# Altium PCB PicoPrint.PcbDoc (part 2 of 3) (continued)
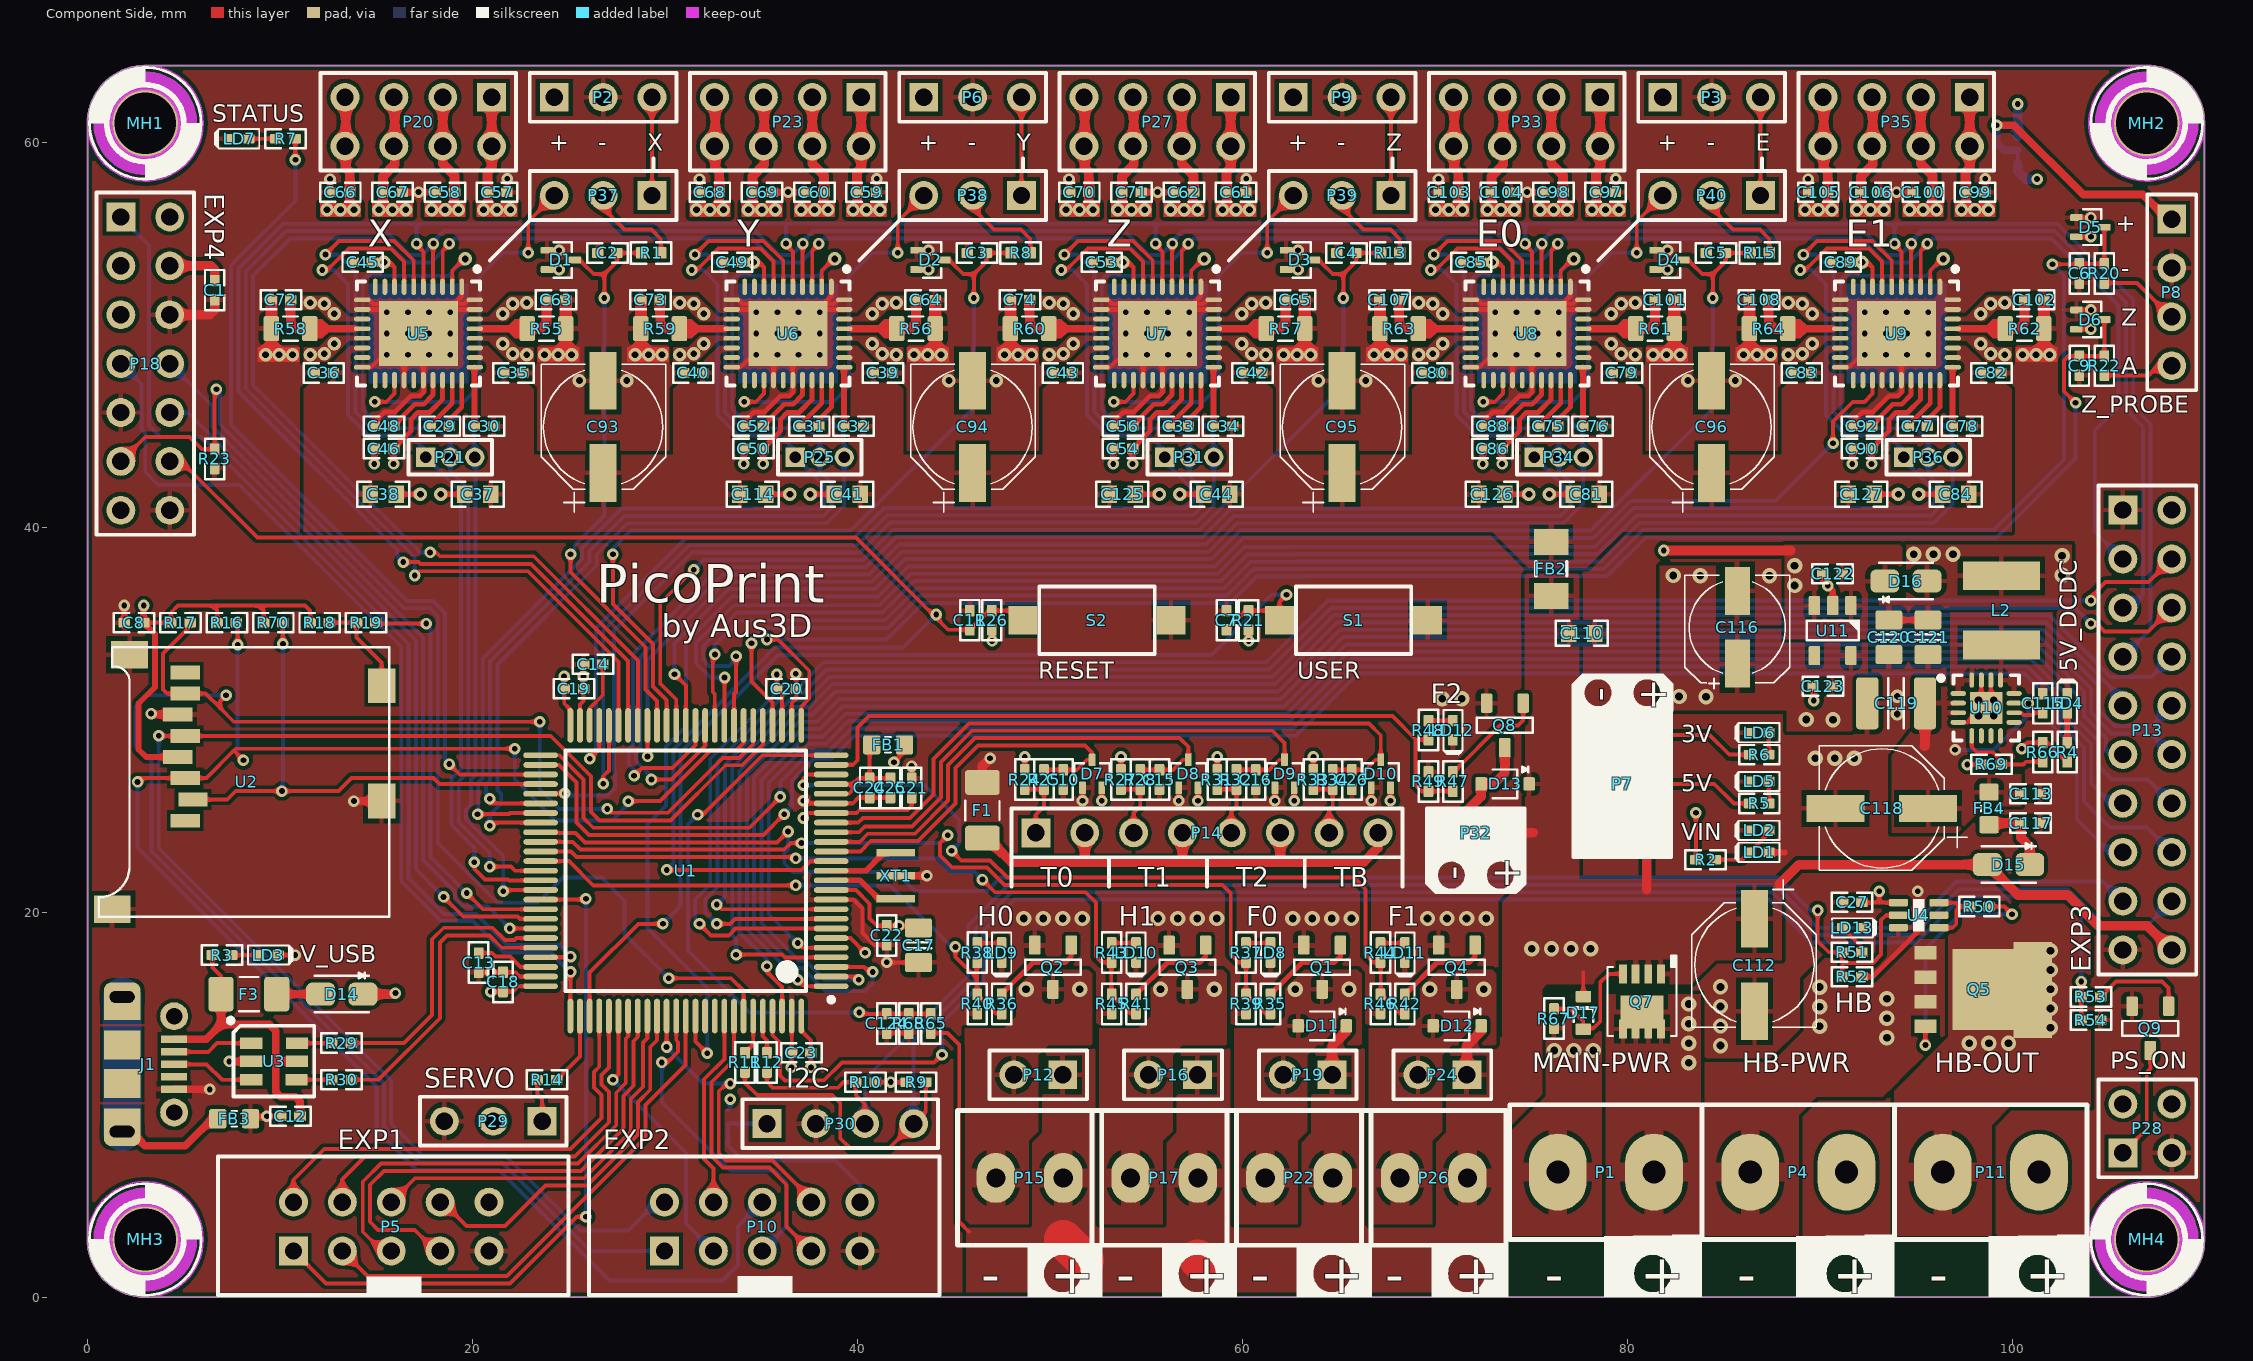
[diagram p0: Component Side view]
## Nets (pads, with @x,y where several pads share a name; then routed paths per layer and width w, separated by ;. In a path a pad name is that pad's centre, name@x,y a point inside that pad or via, vN(x,y) a via of type N, cw(c..) or ccw(c..) an arc to the next point about the centre after c; other vN are vias at no path point) (continued)
  Component Side w0.25: U5.12@14.275,51.325 U5.37@15.95,51.325 ; C48.1@14.904,45.264 14.904,45.464 15.44,46 15.984,46 16.813,46.83 17.283,46.83 17.45,46.996 U5.24@17.45,47.65 17.45,49.825 U5.37@17.2,50.075 ; C38.1@16.05,41.725 v2(17.3,41.725) ; U5.22@16.45,47.65 U5.37@16.45,49.325 ; v2(18.35,41.725) C37.1@19.6,41.725 ; U5.37@18.45,51.325 U5.35@20.125,51.325 ; U5.37@18.95,51.6 19.025,51.6 19.45,52.025 U5.1@19.45,52.5 ; U6.12@33.475,51.325 U6.37@35.15,51.325 ; C52.1@34.104,45.264 34.104,45.464 34.64,46 35.184,46 36.013,46.83 36.483,46.83 36.65,46.996 U6.24@36.65,47.65 36.65,49.825 U6.37@36.4,50.075 ; C114.1@35.25,41.725 v2(36.5,41.725) ; U6.22@35.65,47.65 U6.37@35.65,49.325 ; v2(37.55,41.725) C41.1@38.8,41.725 ; U6.37@37.65,51.325 U6.35@39.325,51.325 ; U6.37@38.15,51.6 38.225,51.6 38.65,52.025 U6.1@38.65,52.5 ; U7.12@52.675,51.325 U7.37@54.35,51.325 ; C56.1@53.304,45.264 53.304,45.464 53.84,46 54.384,46 55.213,46.83 55.683,46.83 55.85,46.996 U7.24@55.85,47.65 55.85,49.825 U7.37@55.6,50.075 ; C125.1@54.45,41.725 v2(55.7,41.725) ; U7.22@54.85,47.65 U7.37@54.85,49.325 ; v2(56.75,41.725) C44.1@58,41.725 ; U7.37@56.85,51.325 U7.35@58.525,51.325 ; U7.37@57.35,51.6 57.425,51.6 57.85,52.025 U7.1@57.85,52.5 ; U8.12@71.875,51.325 U8.37@73.55,51.325 ; C88.1@72.504,45.264 72.504,45.464 73.04,46 73.584,46 74.413,46.83 74.883,46.83 75.05,46.996 U8.24@75.05,47.65 75.05,49.825 U8.37@74.8,50.075 ; C126.1@73.65,41.725 v2(74.9,41.725) ; U8.22@74.05,47.65 U8.37@74.05,49.325 ; v2(75.95,41.725) C81.1@77.2,41.725 ; U8.37@76.05,51.325 U8.35@77.725,51.325 ; U8.37@76.55,51.6 76.625,51.6 77.05,52.025 U8.1@77.05,52.5 ; C92.1@91.704,45.264 91.704,45.464 92.24,46 92.784,46 93.613,46.83 94.083,46.83 94.25,46.996 U9.24@94.25,47.65 94.25,49.825 U9.37@94,50.075 ; R52.1@92.186,16.653 92.753,16.653 95.1,19 ; C127.1@92.85,41.725 v2(94.1,41.725) ; v2(95.15,41.725) C84.1@96.4,41.725 ; U9.37@95.75,51.6 U9.37@95.825,51.6
  Component Side w0.3: C8.1@1.913,35.052 v1@1.913,35.933 ; v1(12.6,58.1) 12.6,57.448 C66.2@12.634,57.414 ; v1(14.9,43.3) C46.1@14.9,44.1 C46.1@14.904,44.104 ; C67.2@16.351,57.414 C58.1@18.067,57.414 ; C57.1@21.784,57.464 21.804,57.484 v1(21.804,58.114) ; v1(31.8,58.1) 31.8,57.448 C68.2@31.834,57.414 ; v1(34.1,43.3) C50.1@34.1,44.1 C50.1@34.104,44.104 ; C69.2@35.551,57.414 C60.1@37.267,57.414 ; C59.1@40.984,57.464 41.004,57.484 v1(41.004,58.114) ; v1(51,58.1) 51,57.448 C70.2@51.034,57.414 ; v1(53.3,43.3) C54.1@53.3,44.1 C54.1@53.304,44.104 ; C71.2@54.751,57.414 C62.1@56.467,57.414 ; C61.1@60.184,57.464 60.204,57.484 v1(60.204,58.114) ; v1(70.2,58.1) 70.2,57.448 C103.2@70.234,57.414 ; v1(72.5,43.3) C86.1@72.5,44.1 C86.1@72.504,44.104 ; C104.2@73.951,57.414 C98.1@75.667,57.414 ; C97.1@79.384,57.464 79.404,57.484 v1(79.404,58.114) ; LD1.1@87.368,23.114 88.186,23.114 ; v1(89.4,58.1) 89.4,57.448 C105.2@89.434,57.414 ; C123.1@89.67,31.75 89.7,31.72 v1(89.7,31) ; C122.1@90.178,37.592 90.178,37.222 v1(90.429,36.971) 90.681,36.719 U11.2@90.681,35.939 ; v1(91.7,43.3) C90.1@91.7,44.1 C90.1@91.704,44.104 ; C106.2@93.151,57.414 C100.1@94.867,57.414 ; C99.1@98.584,57.464 98.604,57.484 v1(98.604,58.114)
  Component Side w0.4: v1(1.905,35.941) v1@1.913,35.933 ; v1(3.302,30.328) 3.353,30.277 U2.6@4.68,30.277 ; J1.GND@4.5,10.8 6.345,10.8 v1(6.35,10.795) ; v1(7.366,12.253) U3.2@8.509,12.253 ; v1(13.843,25.781) U2.CD2@15.28,25.781 ; XT1.2@41.99,21.9 v1(43.617,21.9)
  Component Side w0.5: P18.6@4.27,51.05 6.35,51.05 6.604,51.304 C1.1@6.604,51.824 ; F1.1@46.5,26.75 46.5,27.6 v1(46.9,28)
  other v1: 95.1,21.1 25.765,32.258 24.498,54.4 43.698,54.4 62.898,54.4 82.098,54.4 17.2,57.425 36.4,57.425 55.6,57.425 74.8,57.425 94,57.425
  other v2: 94.041,30.307 94.041,31.223 25.56,47.629 28.02,47.629 44.76,47.629 47.22,47.629 63.96,47.629 66.42,47.629 83.16,47.629 85.62,47.629 9.25,48.975 9.95,48.975 10.65,48.975 23.75,48.975 24.45,48.975 25.15,48.975 28.45,48.975 29.15,48.975 29.85,48.975 42.95,48.975 43.65,48.975 44.35,48.975 47.65,48.975 48.35,48.975 49.05,48.975 62.15,48.975 62.85,48.975 63.55,48.975 66.85,48.975 67.55,48.975 68.25,48.975 81.35,48.975 82.05,48.975 82.75,48.975 86.05,48.975 86.75,48.975 87.45,48.975 100.55,48.975 101.25,48.975 101.95,48.975
  other v3: 76.215,12.82 77.231,12.82 78.247,12.82 84.851,13.074 84.851,14.09 84.851,15.106 84.851,16.122 48.641,19.678 49.657,19.678 50.673,19.678 51.689,19.678 55.626,19.678 56.642,19.678 57.658,19.678 58.674,19.678 62.626,19.678 63.642,19.678 64.658,19.678 65.674,19.678 69.626,19.678 70.642,19.678 71.658,19.678 72.674,19.678 89.768,28 90.784,28 91.8,28 98.257,30.22 99.057,30.22 98.257,31.02 99.057,31.02 70.4,31.1 71.4,31.1 87.4,37.484
H0_PWM: R36.1 R38.2 R40.2 U1.62 | length 29.1
  Component Side w0.2: U1.62@23.54,22.66 25.015,22.66 26.275,21.4 v1(36.8,21.4) ; v1(45.1,18.2) 45.1,17.687 46.213,16.574 ; R38.2@46.213,17.407 46.213,16.574 ; R36.1@47.483,14.74 47.213,14.74 46.213,15.74 46.213,16.574
  Solder Side w0.2: v1(36.8,21.4) 41.7,21.4 45.1,18 v1(45.1,18.2)
H1_PWM: R41.1 R43.2 R45.2 U1.61 | length 37
  Component Side w0.2: U1.61@23.54,23.16 25.115,23.16 25.4,22.875 28.036,22.875 36.725,22.875 v1(36.8,22.8) ; v1(46.5,21.7) 47.16,21.04 51.86,21.04 52.4,20.5 52.4,17.7 52.693,17.407 R43.2@53.213,17.407 ; R43.2@53.198,17.407 53.198,15.74 54.198,14.74 R41.1@54.468,14.74
  Solder Side w0.2: v1(36.8,22.8) 44.2,22.8 44.9,22.1 46.1,22.1 v1(46.5,21.7)
HB_GND: P4.1 Q5.3
  other v3: 93.5,13.484 90,14.084 93.5,14.5 90,15.1 93.5,15.516 90,16.116
HB_PWM: R51.2 R52.2 U1.59 U4.2 | length 79.8
  Component Side w0.2: U1.59@23.54,24.16 23.585,24.115 25.36,24.115 25.84,23.635 27.721,23.635 ; 27.721,23.635 35.835,23.635 v1(36.4,24.2) ; v1(89.9,20.1) 89.9,18.5 90.477,17.923 R51.2@91.194,17.923 91.186,17.915 91.186,17.4 ; R52.2@91.186,16.653 91.186,17.4 ; U4.2@94.1,19.85 93.45,19.85 93.2,19.6 93.2,17.8 92.773,17.373 91.213,17.373 91.186,17.4
  Solder Side w0.2: v1(36.4,24.2) 36.4,23.249 36.2,23.049 36.2,22.551 36.651,22.1 42,22.1 43,21.1 46.749,21.1 47.449,21.8 87.837,21.8 89.537,20.1 v1(89.9,20.1)
HEATED_BED: P11.1 Q5.2
  other v3: 97.784,13.2 98.8,13.2 99.816,13.2 102,14 102,15 102,16 102,17 102,18
HEATER0: P12.2 P15.2 Q2.3
  other v3: 48.768,15.995 51.562,15.995
HEATER1: P16.2 P17.2 Q3.3
  other v3: 55.753,15.995 58.547,15.995
KILL: P10.8 U1.86 | length 15.6
  Component Side w0.2: v1(30.09,13) U1.86@30.09,14.61 ; v1(33.4,11.1) 33.2,11.1 32.8,10.7 32.8,7.488 33.176,7.112 35.589,7.112 37.602,5.1 P10.8@37.602,4.942
  Solder Side w0.2: v1(30.09,13) 31.99,11.1 v1(33.4,11.1)
LCD_D4: P5.5 U1.82 | length 24.8
  Component Side w0.2: P5.5@15.782,2.4 15.3,2.4 14.3,3.4 14.3,6 15.24,6.94 25.477,6.94 27.47,8.933 27.47,10.621 27.97,11.121 27.97,13.431 28.09,13.551 U1.82@28.09,14.61
LCD_D5: P5.6 U1.84 | length 20.3
  Component Side w0.2: P5.6@15.782,4.94 17.022,6.18 25.792,6.18 28.23,8.618 28.23,10.307 28.859,10.935 28.859,13.234 29.09,13.465 U1.84@29.09,14.61
LCD_D6: P5.7 U1.83 | length 26.7
  Component Side w0.2: P5.7@18.322,2.4 18.1,2.4 17,3.5 15.1,3.5 14.68,3.92 14.68,5.843 15.397,6.56 25.635,6.56 27.85,8.775 27.85,10.464 28.374,10.988 28.374,13.297 28.59,13.513 U1.83@28.59,14.61
LCD_D7: P5.8 U1.85 | length 19.3
  Component Side w0.2: P5.8@18.322,4.94 18.46,4.94 19.7,3.7 21.7,3.7 23.8,5.8 25.95,5.8 28.61,8.46 28.61,10.149 29.239,10.778 29.239,12.997 29.59,13.349 U1.85@29.59,14.61
LCD_EN: P5.3 U1.88 | length 26.4
  Component Side w0.2: P5.3@13.242,2.4 14.542,1.1 21.787,1.1 28.99,8.303 28.99,9.992 31.07,12.072 31.07,14.59 U1.88@31.09,14.61
LCD_RS: P5.4 U1.80 | length 22.1
  Component Side w0.2: P5.4@13.242,4.94 13.242,6.142 14.42,7.32 25.32,7.32 27.09,9.09 27.09,10.661 26.7,11.051 26.7,11.549 27.09,11.939 U1.80@27.09,14.61
NetC7_2: C7.2 R21.1 S1.1 U1.78 | length 56.1
  Component Side w0.2: U1.78@26.09,14.61 26.09,16.865 28.625,19.4 v1(29.9,19.4) ; C7.2@59.182,34.679 60.182,35.679 61.436,35.679 S1.1@61.936,35.179 61.936,36.136 v1(62.3,36.5)
  Solder Side w0.2: v1(29.9,19.4) 30.82,20.32 30.82,28.309 35.886,33.375 58.399,33.375 61.524,36.5 v1(62.3,36.5)
NetC13_2: C13.2 U1.73 | length 3.5
  Component Side w0.2: C13.2@20.32,17.883 21.017,17.883 21.2,17.7 21.953,17.7 22.493,17.16 U1.73@23.54,17.16
NetC14_2: C14.2 U1.48 | length 3.5
  Component Side w0.2: U1.48@26.09,29.71 26.09,30.596 26.773,31.279 C14.2@26.773,32.893
NetC24_2: C24.2 C25.2 FB1.1 U1.21 U1.22 | length 6.3
  Component Side w0.2: U1.21@38.64,26.16 39.56,26.16 39.76,26.36 39.76,26.66 ; U1.22@38.64,26.66 39.76,26.66 ; FB1.1@40.679,28.494 40.64,28.455 C24.2@40.64,26.962 ; C25.2@41.723,26.962 C24.2@40.64,26.962 ; 39.76,26.66 40.062,26.962 C24.2@40.64,26.962
NetC29_1: C29.1 U5.27 | length 2.9
  Component Side w0.25: C29.1@17.804,45.264 17.804,45.304 18.95,46.45 U5.27@18.95,47.65
  Component Side w0.3: C29.1@17.804,45.264 C29.1@17.854,45.264
NetC29_2: C29.2 U5.28 | length 2.7
  Component Side w0.25: C29.2@18.804,45.264 18.804,45.604 19.45,46.25 U5.28@19.45,47.65
NetC30_2: C30.2 U5.29 | length 3.1
  Component Side w0.3: U5.29@20.104,48.304 C30.2@20.104,45.264 C30.2@20.204,45.264
NetC31_1: C31.1 U6.27 | length 2.9
  Component Side w0.25: C31.1@37.004,45.264 37.004,45.304 38.15,46.45 U6.27@38.15,47.65
  Component Side w0.3: C31.1@37.004,45.264 C31.1@37.054,45.264
NetC31_2: C31.2 U6.28 | length 2.7
  Component Side w0.25: C31.2@38.004,45.264 38.004,45.604 38.65,46.25 U6.28@38.65,47.65
NetC32_2: C32.2 U6.29 | length 3.1
  Component Side w0.3: U6.29@39.304,48.304 C32.2@39.304,45.264 C32.2@39.404,45.264
NetC33_1: C33.1 U7.27 | length 2.9
  Component Side w0.25: C33.1@56.204,45.264 56.204,45.304 57.35,46.45 U7.27@57.35,47.65
  Component Side w0.3: C33.1@56.204,45.264 C33.1@56.254,45.264
NetC33_2: C33.2 U7.28 | length 2.7
  Component Side w0.25: C33.2@57.204,45.264 57.204,45.604 57.85,46.25 U7.28@57.85,47.65
NetC34_2: C34.2 U7.29 | length 3.1
  Component Side w0.3: U7.29@58.504,48.304 C34.2@58.504,45.264 C34.2@58.604,45.264
NetC48_2: C48.2 U5.25 | length 3.5
  Component Side w0.25: C48.2@15.904,45.264 16.37,45.73 16.37,45.778 16.992,46.4 17.461,46.4 17.95,46.888 U5.25@17.95,47.65
NetC52_2: C52.2 U6.25 | length 3.5
  Component Side w0.25: C52.2@35.104,45.264 35.57,45.73 35.57,45.778 36.192,46.4 36.661,46.4 37.15,46.888 U6.25@37.15,47.65
NetC56_2: C56.2 U7.25 | length 3.5
  Component Side w0.25: C56.2@54.304,45.264 54.77,45.73 54.77,45.778 55.392,46.4 55.861,46.4 56.35,46.888 U7.25@56.35,47.65
NetC63_1: C63.1 R55.2 U5.33 | length 2.3
  Component Side w0.5: R55.2@22.85,50.325 23.55,50.325 23.85,50.625 C63.1@23.85,51.825
NetC64_1: C64.1 R56.2 U6.33 | length 2.3
  Component Side w0.5: R56.2@42.05,50.325 42.75,50.325 43.05,50.625 C64.1@43.05,51.825
NetC65_1: C65.1 R57.2 U7.33 | length 2.3
  Component Side w0.5: R57.2@61.25,50.325 61.95,50.325 62.25,50.625 C65.1@62.25,51.825
NetC72_1: C72.1 R58.2 U5.14 | length 2.3
  Component Side w0.5: C72.1@10.55,51.825 10.55,50.625 10.85,50.325 R58.2@11.55,50.325
NetC73_1: C73.1 R59.2 U6.14 | length 2.3
  Component Side w0.5: C73.1@29.75,51.825 29.75,50.625 30.05,50.325 R59.2@30.75,50.325
NetC74_1: C74.1 R60.2 U7.14 | length 2.3
  Component Side w0.5: C74.1@48.95,51.825 48.95,50.625 49.25,50.325 R60.2@49.95,50.325
NetC75_1: C75.1 U8.27 | length 2.9
  Component Side w0.25: C75.1@75.404,45.264 75.404,45.304 76.55,46.45 U8.27@76.55,47.65
  Component Side w0.3: C75.1@75.404,45.264 C75.1@75.454,45.264
NetC75_2: C75.2 U8.28 | length 2.7
  Component Side w0.25: C75.2@76.404,45.264 76.404,45.604 77.05,46.25 U8.28@77.05,47.65
NetC76_2: C76.2 U8.29 | length 3.1
  Component Side w0.3: U8.29@77.704,48.304 C76.2@77.704,45.264 C76.2@77.804,45.264
NetC77_1: C77.1 U9.27 | length 2.9
  Component Side w0.25: C77.1@94.604,45.264 94.604,45.304 95.75,46.45 U9.27@95.75,47.65
  Component Side w0.3: C77.1@94.604,45.264 C77.1@94.654,45.264
NetC77_2: C77.2 U9.28 | length 2.7
  Component Side w0.25: C77.2@95.604,45.264 95.604,45.604 96.25,46.25 U9.28@96.25,47.65
NetC78_2: C78.2 U9.29 | length 3.1
  Component Side w0.3: U9.29@96.904,48.304 C78.2@96.904,45.264 C78.2@97.004,45.264
NetC88_2: C88.2 U8.25 | length 3.5
  Component Side w0.25: C88.2@73.504,45.264 73.97,45.73 73.97,45.778 74.592,46.4 75.061,46.4 75.55,46.888 U8.25@75.55,47.65
NetC92_2: C92.2 U9.25 | length 3.5
  Component Side w0.25: C92.2@92.704,45.264 93.17,45.73 93.17,45.778 93.792,46.4 94.261,46.4 94.75,46.888 U9.25@94.75,47.65
NetC101_1: C101.1 R61.2 U8.33 | length 2.3
  Component Side w0.5: R61.2@80.45,50.325 81.15,50.325 81.45,50.625 C101.1@81.45,51.825
NetC102_1: C102.1 R62.2 U9.33 | length 2.3
  Component Side w0.5: R62.2@99.65,50.325 100.35,50.325 100.65,50.625 C102.1@100.65,51.825
NetC107_1: C107.1 R63.2 U8.14 | length 2.3
  Component Side w0.5: C107.1@68.15,51.825 68.15,50.625 68.45,50.325 R63.2@69.15,50.325
NetC108_1: C108.1 R64.2 U9.14 | length 2.3
  Component Side w0.5: C108.1@87.35,51.825 87.35,50.625 87.65,50.325 R64.2@88.35,50.325
NetC115_1: C115.1 U10.10 | length 1.6
  Component Side w0.2: U10.10@100.107,30.37 100.488,30.37 100.604,30.254 101.102,30.254 101.218,30.37 101.591,30.37 C115.1@101.6,30.361
NetC115_2: C115.2 L2.1 U10.1 U10.12 U10.13 U10.16
NetC117_2: C117.2 D15.K FB4.1 | length 4
  Component Side w0.5: FB4.1@98.806,24.55 98.894,24.638 C117.2@100.465,24.638 100.465,23.876 100.922,23.419 D15.K@100.922,22.479
NetD14_A: D14.A F3.2 | length 2.3
  Component Side w0.4: F3.2@9.832,15.748 D14.A@12.108,15.748
NetD17_A: D17.A Q7.4 R67.2 | length 6.6
  Component Side w0.2: R67.2@76.2,14.978 77.067,14.978 77.724,14.321 D17.A@77.724,13.921 77.781,13.978 78.262,13.978 78.6,14.316 78.6,16.348 79.054,16.802 Q7.4@79.782,16.802
NetJ2_2: J2.2 P30.1 | length 2
  Solder Side w0.2: J2.2@33.274,9.017 P30.1@35.306,9.017
NetLD1_2: LD1.2 LD2.1 R2.1 | length 3.5
  Component Side w0.2: R2.1@84.574,22.733 85.987,22.733 LD1.2@86.368,23.114 87.368,24.114 LD2.1@87.368,24.257
NetLD3_1: LD3.1 R3.1 | length 1.4
  Component Side w0.2: R3.1@7.485,17.78 LD3.1@8.898,17.78
NetLD4_1: LD4.1 R4.1 | length 1.5
  Component Side w0.3: R4.1@102.87,28.821 LD4.1@102.87,30.361
NetLD5_1: LD5.1 R5.1 | length 1.1
  Component Side w0.2: R5.1@87.368,25.654 LD5.1@87.368,26.797
NetLD6_1: LD6.1 R6.1 | length 1.1
  Component Side w0.2: R6.1@87.368,28.194 LD6.1@87.368,29.337
NetLD7_1: LD7.1 R7.1 | length 1.4
  Component Side w0.2: LD7.1@8.374,60.198 R7.1@9.787,60.198
NetLD8_1: LD8.1 R37.1 | length 1.3
  Component Side w0.2: R37.1@60.198,18.407 LD8.1@61.468,18.407
NetLD9_1: LD9.1 R38.1 | length 1.3
  Component Side w0.2: R38.1@46.213,18.407 LD9.1@47.483,18.407
NetLD10_1: LD10.1 R43.1 | length 1.3
  Component Side w0.2: R43.1@53.198,18.407 LD10.1@54.468,18.407
NetLD11_1: LD11.1 R44.1 | length 1.3
  Component Side w0.2: R44.1@67.198,18.407 LD11.1@68.453,18.407 LD11.1@68.468,18.407
NetLD12_1: LD12.1 R48.1 | length 1.3
  Component Side w0.2: R48.1@69.678,29.964 LD12.1@70.948,29.964
NetLD13_1: LD13.1 R51.1 | length 1.7
  Component Side w0.2: LD13.1@91.194,19.193 92.194,18.193 R51.1@92.194,17.923
NetP37_2: P37.2 R1.1 | length 5.1
  Component Side w0.2: P37.2@26.79,57.25 26.79,56.585 27.9,55.475 29.3,55.475 29.788,54.987 R1.1@29.788,54.26
NetP38_2: P38.2 R8.1 | length 5.1
  Component Side w0.2: P38.2@45.99,57.25 45.99,56.585 47.1,55.475 48.5,55.475 48.988,54.987 R8.1@48.988,54.26
NetP39_2: P39.2 R13.1 | length 5.1
  Component Side w0.2: P39.2@65.19,57.25 65.19,56.585 66.3,55.475 67.7,55.475 68.188,54.987 R13.1@68.188,54.26
NetP40_2: P40.2 R15.1 | length 5.1
  Component Side w0.2: P40.2@84.39,57.25 84.39,56.585 85.5,55.475 86.9,55.475 87.388,54.987 R15.1@87.388,54.26
NetQ1_1: Q1.1 R35.2 | length 5
  Component Side w0.25: R35.2@61.468,15.74 63.12,17.392 64.785,17.392 65.1,17.707 Q1.1@65.1,18.295
NetQ2_1: Q2.1 R36.2 | length 5
  Component Side w0.25: R36.2@47.483,15.74 49.135,17.392 50.8,17.392 51.115,17.707 Q2.1@51.115,18.295
NetQ3_1: Q3.1 R41.2 | length 5
  Component Side w0.25: R41.2@54.468,15.74 56.12,17.392 57.785,17.392 58.1,17.707 Q3.1@58.1,18.295
NetQ4_1: Q4.1 R42.2 | length 5
  Component Side w0.25: R42.2@68.468,15.74 70.12,17.392 71.785,17.392 72.1,17.707 Q4.1@72.1,18.295
NetQ5_1: Q5.1 R50.2 | length 12.6
  Component Side w0.2: v1(95.5,13.1) Q5.1@95.5,14.09 ; R50.2@98.8,20.3 99.6,20.3 v1(100,19.9)
  Solder Side w0.2: v1(95.5,13.1) 95.5,18.1 97.3,19.9 v1(100,19.9)
NetQ8_1: Q8.1 R47.2 | length 5.7
  Component Side w0.2: R47.2@70.948,27.297 71.097,27.297 71.097,27.397 73.4,29.7 74.321,29.7 74.595,29.974 Q8.1@74.595,30.868
NetQ9_1: Q9.1 R53.1 | length 5
  Component Side w0.2: R53.1@104.6,15.6 105.4,16.4 107.8,16.4 108.138,16.062 Q9.1@108.138,15.12
NetR11_1: R11.1 U1.95 | length 2.1
  Component Side w0.2: R11.1@34.163,12.7 34.59,13.127 U1.95@34.59,14.61
NetR12_1: R12.1 U1.96 | length 2
  Component Side w0.2: U1.96@35.09,14.61 35.09,13.551 35.306,13.335 R12.1@35.306,12.7
NetR14_1: R14.1 U1.77 | length 3.8
  Component Side w0.2: R14.1@24.376,11.303 24.384,11.303 25.59,12.509 U1.77@25.59,14.61
NetR18_1: R18.1 R19.2 U2.CD1 | length 5.2
  Component Side w0.2: R18.1@12.565,35.052 R19.2@13.978,35.052 13.978,34.282 15.28,32.98 U2.CD1@15.28,31.775
NetR29_1: R29.1 U3.6 | length 1.8
  Component Side w0.2: U3.6@10.884,13.203 12.695,13.203 R29.1@12.7,13.208
NetR30_1: R30.1 U3.4 | length 1.8
  Component Side w0.2: U3.4@10.859,11.303 R30.1@12.7,11.303
NetR50_1: R50.1 U4.4 U4.6 | length 3.6
  Component Side w0.2: U4.4@96.2,19.2 96.9,19.2 97.1,19.4 97.1,20.1 97.3,20.3 ; U4.6@96.2,20.5 97.1,20.5 97.3,20.3 ; R50.1@97.8,20.3 97.3,20.3
NetR66_1: R66.1 R69.2 U10.5 | length 4.8
  Component Side w0.2: U10.5@97.907,29.17 97.907,28.593 98.186,28.314 99.005,28.314 99.433,27.886 R69.2@99.433,27.686 100.6,27.686 100.735,27.821 R66.1@101.6,27.821
NetU1_12: U1.12 XT1.3 | length 3.1
  Component Side w0.3: U1.12@38.64,21.66 40.14,21.66 41.1,20.7 XT1.3@41.38,20.7
NetU1_13: U1.13 XT1.1 | length 3.1
  Component Side w0.3: U1.13@38.64,22.16 40.45,22.16 XT1.1@41.39,23.1
NRST: C11.2 P18.12 R26.1 S2.1 U1.14 | length 80.5
  Component Side w0.2: P18.12@4.27,43.43 4.87,43.43 8.825,39.475 39.925,39.475 v1@44.1,35.3 ; v1(30.1,22.2) 37.1,22.2 37.56,22.66 U1.14@38.64,22.66 ; v1(44.1,35.475) v1@44.1,35.3 ; S2.1@48.601,35.179 48.101,35.679 R26.1@46.99,35.679 46.847,35.679 C11.2@45.847,34.679 44.721,34.679 v1@44.1,35.3
  Solder Side w0.2: v1(30.1,22.2) 30.44,22.54 30.44,28.466 35.729,33.755 42.38,33.755 v1(44.1,35.475)
PB12: P13.16 U1.51 | length 97.8
  Component Side w0.2: U1.51@23.54,28.16 24.529,28.16 25.78,26.909 25.78,24.895 26.28,24.395 27.406,24.395 34.395,24.395 v1(36,26)
  Solder Side w0.2: v1(36,26) 36,26.786 37.594,28.38 38.53,28.38 39.705,29.555 62.643,29.555 65.868,32.78 100.81,32.78 102.52,31.07 102.52,29.78 103.74,28.56 103.74,25.76 105.1,24.4 107.02,24.4 P13.16@108.3,23.12
PB13: P13.15 U1.52 | length 95.9
  Component Side w0.2: U1.52@23.54,27.66 24.492,27.66 25.4,26.752 25.4,24.675 26.06,24.015 27.563,24.015 35.115,24.015 v1(36.2,25.1)
  Solder Side w0.2: v1(36.2,25.1) 36.6,25.5 36.6,26.848 37.751,28 38.687,28 39.862,29.175 62.8,29.175 66.025,32.4 100.652,32.4 102.14,30.912 102.14,29.623 103.36,28.403 103.36,24.84 105.08,23.12 P13.15@105.76,23.12
PS_ON: R53.2 R54.2 U1.97 | length 85.2
  Component Side w0.2: U1.97@35.59,14.61 35.59,13.61 35.976,13.224 35.976,11.524 36.24,11.26 37.985,11.26 38,11.275 38.275,11.275 39.2,12.2 44,12.2 v1(44.4,12.6) ; R54.2@103.6,14.4 R53.2@103.6,15.6 v1(103.6,16.4)
  Solder Side w0.2: v1(44.4,12.6) 44.4,14.263 46.523,16.385 46.523,19.005 48.177,20.66 87.365,20.66 89.585,18.44 95.029,18.44 97.409,20.82 102.743,20.82 103.6,19.963 v1(103.6,16.4)
PS_ON_OUT: P28.1 Q9.3 | length 5.9
  Component Side w0.2: P28.1@105.76,7.5 107,8.74 107,11.7 107.188,11.888 Q9.3@107.188,12.82
PWR_MON: C124.2 R65.1 R68.2 U1.25 | length 29.7
  Component Side w0.2: v1(31.7,25.075) 31.987,25.075 35.072,28.16 U1.25@38.64,28.16 ; v1(40.1,14.8) 40.176,14.724 C124.2@41.529,14.724 R65.1@43.815,14.724
  Solder Side w0.2: v1@31.7,25.275 v1(31.7,25.075) 31.2,24.575 31.2,18 34.4,14.8 v1(40.1,14.8)
SCL_1: P13.18 P30.4 R9.1 R11.2 | length 92.5
  Component Side w0.2: R11.2@34.163,11.7 34.163,11.137 34.8,10.5 38.7,10.5 39.116,10.084 39.116,8.255 39.624,7.747 41.656,7.747 P30.4@42.926,9.017 43.553,9.644 R9.1@43.553,11.176
  Solder Side w0.2: P30.4@42.926,9.017 42.926,13.326 46.143,16.543 46.143,19.163 48.02,21.04 87.523,21.04 89.743,18.82 94.871,18.82 97.251,21.2 102.9,21.2 104.9,19.2 106.92,19.2 P13.18@108.3,20.58
SD_CD: P10.7 U1.93 | length 16.3
  Component Side w0.2: U1.93@33.59,14.61 33.59,12.339 32.42,11.169 32.42,7.331 33.02,6.731 35.433,6.731 36.322,5.842 36.322,3.682 P10.7@37.602,2.402
SD_CS: P10.4 U1.92 | length 10.3
  Component Side w0.2: P10.4@32.522,4.942 32.522,6.692 32.04,7.174 32.04,11.326 33.09,12.376 U1.92@33.09,14.61
SDA_1: P13.17 P30.3 R10.1 R12.2 | length 83.5
  Component Side w0.2: R12.2@35.306,11.7 35.306,11.194 35.62,10.88 38.98,10.88 39.276,11.176 R10.1@39.928,11.176 39.928,10.491 40.386,10.033 P30.3@40.386,9.017
  Solder Side w0.2: P30.3@40.386,9.017 40.386,11.323 45.763,16.7 45.763,19.32 47.863,21.42 87.68,21.42 89.9,19.2 94.714,19.2 97.114,21.6 104.74,21.6 P13.17@105.76,20.58
SERVO: P29.1 R14.2 | length 2.3
  Component Side w0.2: R14.2@23.376,11.303 23.376,10.533 23.622,10.287 P29.1@23.622,9.144
SPI1_MISO: P10.1 R17.1 U1.31 U2.7 | length 92
  Component Side w0.2: R17.1@5.326,35.052 5.326,34.852 3.93,33.456 3.93,31.57 4.131,31.369 U2.7@5.08,31.369 6.131,31.369 6.9,30.6 ; v1(7.2,31.275) 6.9,30.975 6.9,30.6 ; v1(23.5,29.9) 7.6,29.9 6.9,30.6 ; v1(27,25.375) 27.2,25.175 30.163,25.175 33.008,28.02 33.857,28.02 34.59,28.753 U1.31@34.59,29.71
  Solder Side w0.2: v1(7.2,31.275) 3.1,31.275 2.5,30.675 2.5,28.675 3.32,27.855 3.32,23.192 15.4,11.112 15.4,8.838 17.243,6.995 21.543,6.995 26.136,2.402 P10.1@29.982,2.402 ; v1(23.5,29.9) 23.5,26.4 24.525,25.375 v1(27,25.375)
SPI1_MOSI: P10.6 R16.1 U1.32 U2.3 | length 94.7
  Component Side w0.2: v1(2.6,26.775) 2.8,26.975 U2.3@5.08,26.975 6.175,26.975 7.6,28.4 ; R16.1@7.739,35.052 7.8,34.991 v1(7.8,33.9) ; v1(8.1,27.9) 7.6,28.4 ; v1(22.2,28.5) 7.7,28.5 7.6,28.4 ; v1(28.1,25.775) 29.752,25.775 32.377,28.4 33.7,28.4 34.09,28.79 U1.32@34.09,29.71
  Solder Side w0.2: v1(2.6,26.775) 2.6,23.375 15.02,10.955 15.02,8.68 17.085,6.615 21.385,6.615 27.125,0.875 33,0.875 33.8,1.675 33.8,3.68 P10.6@35.062,4.942 ; v1(7.8,33.9) 7.8,28.2 v1(8.1,27.9) ; v1(22.2,28.5) 22.2,26.9 24.325,24.775 27.249,24.775 28.1,25.626 v1(28.1,25.775)
SPI1_SCK: P10.2 U1.30 U2.5 | length 79.2
  Component Side w0.2: v1(3.7,29.175) 3.716,29.159 U2.5@5.08,29.159 24.067,29.159 26.16,27.066 26.16,25.215 26.6,24.775 27.249,24.775 30.3,24.775 33.165,27.64 34.015,27.64 35.09,28.715 U1.30@35.09,29.71
  Solder Side w0.2: v1(3.7,29.175) 3.7,23.35 15.78,11.27 15.78,8.995 17.4,7.375 21.7,7.375 25.6,3.475 28.1,3.475 29.567,4.942 P10.2@29.982,4.942
SPI4_MISO: P13.7 U1.44 U5.5 U6.5 U7.5 U8.5 U9.5 | length 173.9
  Component Side w0.2: v1(16.4,38.2) 17.2,38.2 17.3,38.1 23.048,38.1 28.09,33.058 U1.44@28.09,29.71 ; v1(17.1,54.75) 17.1,54.675 17.45,54.325 U5.5@17.45,52.5 ; v1(36.3,54.75) 36.3,54.675 36.65,54.325 U6.5@36.65,52.5 ; v1(55.5,54.75) 55.5,54.675 55.85,54.325 U7.5@55.85,52.5 ; v1(74.7,54.75) 74.7,54.675 75.05,54.325 U8.5@75.05,52.5 ; v1(93.9,54.75) 93.9,54.675 94.25,54.325 U9.5@94.25,52.5
  Solder Side w0.2: v1@16.2,38.2 v1(16.4,38.2) 16.1,38.5 16.1,38.811 7.84,47.071 7.84,53.452 10.163,55.775 17.1,55.775 ; v1(17.1,54.75) 17.1,55.775 ; v1(36.3,54.75) 36.3,55.675 36.2,55.775 ; v1(55.5,54.75) 55.5,55.775 ; v1(74.7,54.75) 74.7,55.775 ; v1(93.9,54.75) 93.9,55.775 ; P13.7@105.76,33.28 107.19,34.71 107.19,45.385 106.3,46.275 106.3,51.85 102.375,55.775 93.9,55.775 ; 17.1,55.775 36.2,55.775 ; 36.2,55.775 55.5,55.775 ; 55.5,55.775 74.7,55.775 ; 74.7,55.775 93.9,55.775
SPI4_MOSI: P13.5 U1.45 U5.4 U6.4 U7.4 U8.4 U9.4 | length 169.9
  Component Side w0.2: v1(17,37.5) 17.22,37.72 22.891,37.72 27.59,33.021 27.59,31.81 ; U5.4@17.95,52.5 17.954,52.504 v1@17.954,54.75 ; v1@17.975,54.593 v1(17.975,54.75) ; U1.45@27.59,29.71 27.59,31.79 ; U6.4@37.15,52.5 37.154,52.504 v1@37.154,54.75 ; v1@37.175,54.593 v1(37.175,54.75) ; U7.4@56.35,52.5 56.354,52.504 v1@56.354,54.75 ; v1@56.375,54.593 v1(56.375,54.75) ; U8.4@75.55,52.5 75.554,52.504 v1@75.554,54.75 ; v1@75.575,54.593 v1(75.575,54.75) ; U9.4@94.75,52.5 94.754,52.504 v1@94.754,54.75 ; v1@94.775,54.593 v1(94.775,54.75) ; 27.59,31.79 27.59,31.81 ; 27.59,31.79 27.6,31.8 27.59,31.81
  Solder Side w0.2: v1(17,37.5) 17,37.937 16.993,37.944 17,37.951 17,38.449 8.22,47.229 8.22,53.295 10.32,55.395 15.48,55.395 16.725,54.15 17.375,54.15 v1(17.975,54.75) 17.975,54.87 18.5,55.395 34.68,55.395 35.925,54.15 36.575,54.15 v1(37.175,54.75) 37.175,54.87 37.7,55.395 53.88,55.395 55.125,54.15 55.775,54.15 v1(56.375,54.75) 56.375,54.87 56.9,55.395 73.08,55.395 74.325,54.15 74.975,54.15 v1(75.575,54.75) 75.575,54.87 76.1,55.395 92.28,55.395 93.525,54.15 94.175,54.15 v1(94.775,54.75) 94.775,54.87 95.3,55.395 102.217,55.395 105.92,51.692 105.92,46.118 106.81,45.228 106.81,36.51 106.12,35.82 P13.5@105.76,35.82
SPI4_SCK: P13.3 U1.43 U5.3 U6.3 U7.3 U8.3 U9.3 | length 166.9
  Component Side w0.2: v1(17.8,38.7) 18.111,38.7 18.311,38.5 23.186,38.5 28.6,33.086 28.6,29.72 U1.43@28.59,29.71 ; U5.3@18.45,52.5 18.454,52.504 18.454,54.368 18.818,54.732 18.829,54.743 18.829,54.75 v1@18.829,54.789 ; v1(18.8,54.75) 18.8,54.76 v1@18.829,54.789 ; U6.3@37.65,52.5 37.654,52.504 37.654,54.368 38.018,54.732 38.029,54.743 38.029,54.75 v1@38.029,54.789 ; v1(38,54.75) 38,54.76 v1@38.029,54.789 ; U7.3@56.85,52.5 56.854,52.504 56.854,54.368 57.218,54.732 57.229,54.743 57.229,54.75 v1@57.229,54.789 ; v1(57.2,54.75) 57.2,54.76 v1@57.229,54.789 ; U8.3@76.05,52.5 76.054,52.504 76.054,54.368 76.418,54.732 76.429,54.743 76.429,54.75 v1@76.429,54.789 ; v1(76.4,54.75) 76.4,54.76 v1@76.429,54.789 ; U9.3@95.25,52.5 95.254,52.504 95.254,54.368 95.618,54.732 95.629,54.743 95.629,54.75 v1@95.629,54.789 ; v1(95.6,54.75) 95.6,54.76 v1@95.629,54.789 ; v1@18.829,54.789 18.875,54.835 v1@18.829,54.789 ; v1@38.029,54.789 38.075,54.835 v1@38.029,54.789 ; v1@57.229,54.789 57.275,54.835 v1@57.229,54.789 ; v1@76.429,54.789 76.475,54.835 v1@76.429,54.789 ; v1@95.629,54.789 95.675,54.835 v1@95.629,54.789
  Solder Side w0.2: v1(17.8,38.7) 17.286,38.7 8.6,47.386 8.6,53.075 10.54,55.015 15.323,55.015 16.568,53.77 17.844,53.77 18.8,54.726 v1(18.8,54.75) 19.065,55.015 34.523,55.015 35.768,53.77 37.044,53.77 38,54.726 v1(38,54.75) 38.265,55.015 53.723,55.015 54.968,53.77 56.244,53.77 57.2,54.726 v1(57.2,54.75) 57.465,55.015 72.923,55.015 74.168,53.77 75.444,53.77 76.4,54.726 v1(76.4,54.75) 76.665,55.015 92.123,55.015 93.368,53.77 94.644,53.77 95.6,54.726 v1(95.6,54.75) 95.865,55.015 102.06,55.015 105.54,51.535 105.54,46.275 104.3,45.035 104.3,39.775 105.715,38.36 P13.3@105.76,38.36
STAT_LED: R7.2 U1.53 | length 44.3
  Component Side w0.2: v1(10.8,59.1) R7.2@10.8,60.185 ; v1(18.8,27.7) 19.34,27.16 U1.53@23.54,27.16
  Solder Side w0.2: v1(10.8,59.1) 10.8,56.975 7.66,53.835 7.66,53.81 7.46,53.61 7.46,45.327 16.607,36.18 17.957,36.18 18.58,35.557 18.58,27.92 v1(18.8,27.7)
SWCLK: P18.7 U1.76 | length 48.5
  Component Side w0.2: U1.76@25.09,14.61 25.09,16.91 v1(25.1,16.9)
  Solder Side w0.2: P18.7@1.73,48.51 2.8,47.44 2.8,45.075 3,44.875 3,42.875 3.675,42.2 7.9,42.2 16.3,33.8 16.3,21.614 18.374,19.54 20.023,19.54 21.643,17.92 24.08,17.92 24.5,17.5 24.5,17.451 25.051,16.9 v1(25.1,16.9)